# Altium PCB Fumsat Ekteshafi PCB.PcbDoc (part 2 of 2)
Units mm, origin at the board's own origin, x right, y up, seen from the top; angles counter-clockwise.
Board outline 60.2 x 90.04 mm, 2 copper layers (Top Layer, Bottom Layer), stack 1.671 mm thick; 122 components, 180 nets, 669 pads, 158 vias.
Unrouted connection lines stored in the file: 251.
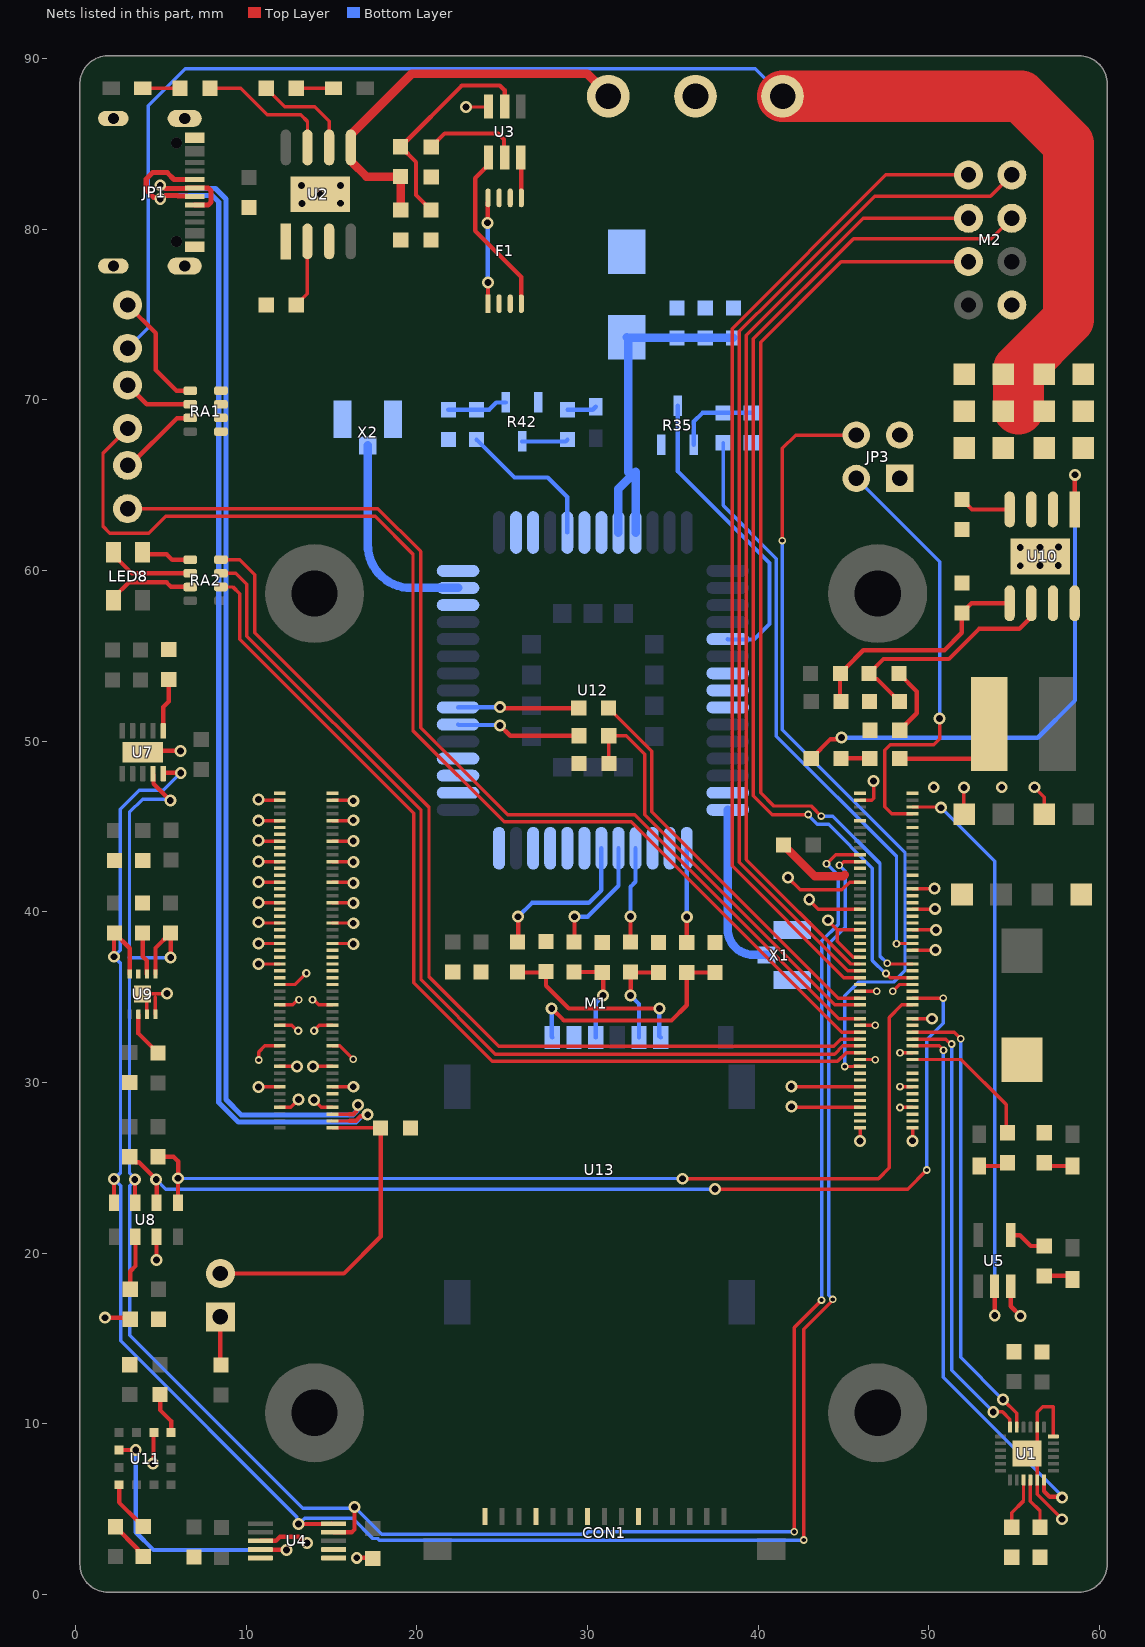
[diagram p2: the nets of this part, all layers, seen from the top]

## Via types
v1: diameter 0.7, hole 0.4, Top Layer to Bottom Layer, tented both sides, 118 vias
v2: diameter 0.45, hole 0.25, Top Layer to Bottom Layer, tented both sides, 37 vias
v3: diameter 0.5, hole 0.25, Top Layer to Bottom Layer, tented both sides, 3 vias

## Nets (pads, with @x,y where several pads share a name; then routed paths per layer and width w, separated by ;. In a path a pad name is that pad's centre, name@x,y a point inside that pad or via, vN(x,y) a via of type N, cw(c..) or ccw(c..) an arc to the next point about the centre after c; other vN are vias at no path point) (continued)
E01_CSN: M1.49 M2.7 | length 56.8
  Top Layer w0.2: v2(43.694,45.611) 43.102,46.203 40.914,46.203 40.14,46.978 40.14,73.383 42.368,75.611 42.368,75.62 44.853,78.105 M2.7@52.324,78.105 ; v2(47.559,36.989) 47.603,36.946 M1.49@49.045,36.946
  Bottom Layer w0.2: v2(43.694,45.611) 44.36,45.611 47.138,42.834 47.138,37.41 v2(47.559,36.989)
E01_IRQ: M1.46 M2.5 | length 59.3
  Top Layer w0.2: M1.46@45.965,36.146 45.019,36.146 38.469,42.696 38.469,74.176 47.478,83.185 M2.5@52.324,83.185
E01_MISO: M1.48 M2.4 | length 60.6
  Top Layer w0.2: M1.48@45.965,36.546 45.261,36.546 38.901,42.906 38.901,74.017 41.088,76.204 46.819,81.935 53.614,81.935 M2.4@54.864,83.185
E01_MOSI: M1.50 M2.6 | length 55.8
  Top Layer w0.2: M1.50@45.965,36.946 45.426,36.946 39.306,43.066 39.306,73.788 46.163,80.645 M2.6@52.324,80.645
E01_SCK: M1.45 M2.3 | length 61.8
  Top Layer w0.2: v2(42.933,45.7) 40.826,45.7 39.719,46.807 39.719,73.577 45.585,79.443 53.662,79.443 M2.3@54.864,80.645 ; v2(47.496,36.391) 47.741,36.146 M1.45@49.045,36.146
  Bottom Layer w0.2: v2(42.933,45.7) 42.933,45.657 43.453,45.136 44.127,45.136 46.696,42.567 46.696,37.15 47.456,36.391 v2(47.496,36.391)
EEPROM_nWP: JP3.4 M1.20 | length 47.4
  Top Layer w0.2: v2(41.419,61.756) 41.419,67.168 42.192,67.941 JP3.4@45.749,67.941 ; v2(45.08,30.94) 45.605,30.94 45.61,30.946 M1.20@45.965,30.946
  Bottom Layer w0.2: v2(41.419,61.756) 41.419,50.679 48.602,43.495 48.602,36.555 47.936,35.889 45.887,35.889 45.08,35.081 v2(45.08,30.94)
ETH_LEDG: M1.17
ETH_LEDY: M1.15
GLOBAL_EN: M1.99
GND: C1.1 C2.1 C3.1 C4.2 C5.2 C6.2 C7.2 C8.1 C10.2 C11.1 C12.1 C14.2 C15.2 C16.2 C17.2 C18.2 C19.2 C21.2 C22.2 C23.2 C24.2 C25.2 C26.2 C27.2 C28.2 C29.2 C30.1 C31.1 C32.2 C33.2 C34.2 C35.2 C36.2 C37.2 C43.2 C44.2 C45.2 C46.2 CON1.1 CON1.4 CON1.7 CON1.10 F1.2 F1.3 F1.6 F1.7 JP1.A1 JP1.A12 JP1.B1 JP1.B12 JP1.S1 JP1.S2 JP1.S3 JP1.S4 JP3.1 JP3.3 M1.1 M1.2 M1.7 M1.8 M1.13 M1.14 M1.22 M1.23 M1.32 M1.33 M1.42 M1.43 M1.52 M1.53 M1.59 M1.60 M1.65 M1.66 M1.71 M1.74 M1.98 M1.107 M1.108 M1.113 M1.114 M1.119 M1.120 M1.125 M1.126 M1.131 M1.132 M1.137 M1.138 M1.144 M1.150 M1.155 M1.156 M1.161 M1.162 M1.167 M1.168 M1.173 M1.174 M1.179 M1.180 M1.185 M1.186 M1.191 M1.192 M1.197 M1.198 M2.1 R1.1 R4.1 R8.2 R9.1 R13.1 R17.1 R22.1 R25.2 R27.1 R32.2 R35.2 R36.1 R40.1 R42.2 R43.1 RA1.5 RA1.6 RA1.7 RA1.8 TP2.1 U1.11 U1.18 U1.20 U1.25 U2.1 U2.3 U2.9 U3.6 U4.3 U5.3 U7.11 U8.3 U9.7 U9.8 U9.9 U10.7 U10.9 U11.5 U12.14 U12.27 U12.31 U12.40 U12.42 U12.44 U12.45 U12.48 U12.49 X1.G X2.G | length 121.8
  Top Layer w0.2: U9.7@4.18,34.007 4.18,34.932 U9.9@3.93,35.182 3.962,35.213 v1(5.348,35.213) ; U9.8@4.68,34.007 4.68,35.006 ; v1@10.658,38.15 10.662,38.146 M1.156@11.965,38.146 ; v1@10.663,39.391 10.709,39.346 M1.162@11.965,39.346 ; v1@10.669,40.557 10.679,40.546 M1.168@11.965,40.546 ; v1@10.685,36.941 10.69,36.946 M1.150@11.965,36.946 ; v1@10.69,41.744 10.692,41.746 M1.174@11.965,41.746 ; v1@10.701,42.958 10.713,42.946 M1.180@11.965,42.946 ; v1@10.712,45.343 10.715,45.346 M1.192@11.965,45.346 ; v1@10.718,44.172 10.744,44.146 M1.186@11.965,44.146 ; v1@10.727,29.746 M1.114@11.965,29.746 ; v2(10.727,31.321) 10.727,31.788 11.085,32.146 M1.126@11.965,32.146 ; v1(10.727,46.576) 10.758,46.546 M1.198@11.965,46.546 ; M1.108@11.965,28.546 12.604,28.546 v1(13.063,29.005) ; M1.120@11.965,30.946 12.97,30.946 v1(12.975,30.941) ; M1.132@11.965,33.346 12.677,33.346 12.985,33.038 v3(13.041,33.038) ; M1.138@11.965,34.546 12.719,34.546 13.019,34.845 v2(13.086,34.845) ; M1.144@11.965,35.746 12.866,35.746 v3(13.527,36.407) ; v1(13.239,82.562) 14.495,82.562 15.005,82.052 v1(15.527,82.574) v1(15.527,81.528) ; v1(13.264,81.513) 13.803,82.052 v1(14.337,82.052) ; v2(13.881,34.845) 13.949,34.845 14.248,34.546 M1.137@15.045,34.546 ; v1(13.913,30.933) 13.925,30.946 M1.119@15.045,30.946 ; v1(13.969,28.981) 13.969,28.972 14.395,28.546 M1.107@15.045,28.546 ; v3(13.976,33.037) 14.285,33.346 M1.131@15.045,33.346 ; M1.113@15.045,29.746 16.286,29.746 v1@16.291,29.752 ; M1.125@15.045,32.146 15.488,32.146 v2(16.274,31.36) ; M1.155@15.045,38.146 16.294,38.146 v1@16.315,38.124 ; M1.161@15.045,39.346 16.301,39.346 v1@16.315,39.332 ; M1.167@15.045,40.546 16.281,40.546 v1@16.315,40.512 ; M1.173@15.045,41.746 16.153,41.746 16.207,41.692 v1(16.274,41.692) ; M1.179@15.045,42.946 16.255,42.946 v1(16.274,42.926) ; M1.185@15.045,44.146 16.273,44.146 v1(16.274,44.147) ; M1.191@15.045,45.346 16.265,45.346 v1@16.288,45.368 ; M1.197@15.045,46.546 16.263,46.546 v1@16.301,46.507 ; v1(22.885,87.164) 24.159,87.164 U3.6@24.196,87.201 ; v1(41.742,42.012) 42.468,41.286 44.895,41.286 45.354,41.746 M1.74@45.965,41.746 ; v1(41.942,29.771) 41.967,29.746 M1.14@45.965,29.746 ; v1(41.959,28.583) 41.996,28.546 M1.8@45.965,28.546 ; v1(42.993,40.723) 42.993,40.667 43.515,40.146 M1.66@45.965,40.146 ; v1(44.084,39.507) 44.084,39.486 44.624,38.946 ; M1.2@45.965,27.346 45.972,27.346 v1(45.972,26.574) ; M1.22@45.965,31.346 46.845,31.346 v2(46.864,31.327) ; M1.32@45.965,33.346 46.857,33.346 v2(46.864,33.353) ; M1.42@45.965,35.346 46.939,35.346 v2(46.947,35.354) ; M1.52@45.965,37.346 45.562,37.346 44.624,38.283 44.624,38.946 ; M1.60@45.965,38.946 44.624,38.946 ; M1.98@45.965,46.546 46.644,46.546 46.761,46.663 v1(46.761,47.673) ; v2(47.892,35.348) 48.289,35.746 M1.43@49.045,35.746 ; v2(48.308,28.538) 48.315,28.546 M1.7@49.045,28.546 ; v2(48.308,29.76) 48.322,29.746 M1.13@49.045,29.746 ; v2(48.308,31.744) v2(48.308,31.744) M1.23@49.045,31.746 ; M1.1@49.045,27.346 49.048,27.346 v1(49.048,26.583) ; M1.33@49.045,33.746 50.179,33.746 v1(50.19,33.735) ; M1.53@49.045,37.746 50.383,37.746 v1(50.396,37.759) ; M1.59@49.045,38.946 50.402,38.946 v1(50.413,38.935) ; M1.65@49.045,40.146 50.33,40.146 v1(50.363,40.178) ; M1.71@49.045,41.346 50.32,41.346 v1(50.341,41.366) ; v1(52.054,47.293) 52.054,45.736 C16.2@52.07,45.72 ; v1(55.354,60.281) 55.434,60.361 55.504,60.291 v1(56.506,60.291) 56.544,60.329 56.572,60.301 v1(57.589,60.301) 57.589,61.31 57.609,61.33 v1(57.609,61.373) 56.707,61.373 56.606,61.273 v1(56.516,61.363) 56.442,61.289 U10.9@55.408,61.289 ; v1(55.354,61.343) 55.874,60.823 U10.9@56.529,60.823 ; v1(56.191,47.303) 56.769,46.725 C18.2@56.769,45.72 ; U1.11@56.349,6.706 56.349,5.868 v1(57.81,4.407) ; U1.11@56.353,6.71 56.353,7.655 U1.25@55.753,8.255 56.353,8.855 U1.20@56.353,9.8 56.353,10.677 56.678,11.002 57.281,11.002 57.289,10.993 57.289,9.264 U1.18@57.298,9.255
  Top Layer w0.254: v1(1.725,16.219) 3.11,16.219 C12.1@3.2,16.129 ; C7.2@2.332,3.968 3.648,2.652 3.648,2.545 C30.1@3.965,2.227 ; U7.11@3.937,49.356 4.016,49.435 v1(6.149,49.435) ; v1(4.545,7.663) 4.564,7.682 4.564,9.458 U11.5@4.583,9.477 ; v1(4.743,19.601) 4.746,19.604 4.746,20.955 U8.3@4.749,20.958 ; U4.3@10.825,3.14 11.735,3.14 11.98,3.386 13.06,3.386 13.439,3.006 v1(13.56,3.006) ; v1(16.476,2.146) 17.386,2.146 C8.1@17.418,2.114 ; U5.3@54.798,18.058 54.798,16.893 v1(55.38,16.311)
  other v1: 10.727,29.736 16.274,29.752 10.727,36.941 16.274,38.124 10.727,38.15 16.274,39.332 10.727,39.391 16.274,40.512 10.727,40.557 10.727,41.744 10.727,42.958 10.727,44.172 10.727,45.343 16.274,45.368 16.274,46.507 50.289,47.303 54.274,47.303
GNSS_ANT: U12.15 X1.S | length 10.1
  Bottom Layer w0.5: U12.15@38.214,45.98 38.214,38.986 ccw(c39.719,38.986) 39.719,37.481 40.476,37.481 X1.S@40.476,37.47
GPIO2: M1.58
GPIO3: M1.56
GPIO4: M1.54
GPIO10: M1.44
GPIO12: M1.31
GPIO23: M1.47
GPIO25: M1.41
GPIO_VREF: M1.78 R10.2 | length 4.4
  Top Layer w0.5: R10.2@41.479,43.923 43.326,42.077 44.978,42.077 45.081,42.179
HDMI0_CEC: M1.151
HDMI0_CK_N: M1.190
HDMI0_CK_P: M1.188
HDMI0_D0_N: M1.184
HDMI0_D0_P: M1.182
HDMI0_D1_N: M1.178
HDMI0_D1_P: M1.176
HDMI0_D2_N: M1.172
HDMI0_D2_P: M1.170
HDMI0_HOTPLUG: M1.153
HDMI0_SCL: M1.200
HDMI0_SDA: M1.199
HDMI1_CEC: M1.149
HDMI1_CK_N: M1.166
HDMI1_CK_P: M1.164
HDMI1_D0_N: M1.160
HDMI1_D0_P: M1.158
HDMI1_D1_N: M1.154
HDMI1_D1_P: M1.152
HDMI1_D2_N: M1.148
HDMI1_D2_P: M1.146
HDMI1_HOTPLUG: M1.143
HDMI1_SCL: M1.145
HDMI1_SDA: M1.147
IMU_INT: M1.25 U1.12 | length 32.9
  Top Layer w0.2: M1.25@49.045,32.146 50.62,32.146 50.862,31.903 v2(50.862,31.888)
  Top Layer w0.254: U1.12@56.753,6.71 56.753,6.049 57.085,5.717 57.768,5.717 v1(57.816,5.669)
  Bottom Layer w0.2: v2(50.862,31.888) 50.841,31.866 50.841,12.72 57.816,5.745 v1(57.816,5.669)
IMU_SCL: M1.29 U1.23 | length 27.1
  Top Layer w0.2: M1.29@49.045,32.946 51.485,32.946 v2(51.871,32.559) ; v1(54.341,11.417) 54.346,11.417 55.153,10.61 U1.23@55.153,9.8
  Bottom Layer w0.2: v2(51.871,32.559) 51.871,13.887 v1(54.341,11.417)
IMU_SDA: M1.27 U1.24 | length 26.6
  Top Layer w0.2: M1.27@49.045,32.546 50.981,32.546 51.268,32.259 v2(51.335,32.259) ; v1(53.776,10.699) 54.318,10.699 54.753,10.264 U1.24@54.753,9.8
  Bottom Layer w0.2: v2(51.335,32.259) 51.337,32.257 51.337,13.138 v1(53.776,10.699)
IN0: U4.4 U11.8 | length 16.7
  Top Layer w0.254: U11.8@2.505,8.469 v1(3.526,8.469) ; U4.4@10.804,2.627 12.349,2.627 v1(12.369,2.607)
  Bottom Layer w0.254: v1(3.526,8.469) 3.526,3.648 4.567,2.607 v1(12.369,2.607)
IN1: U4.5
IN2: U4.6
IN3: U4.7
LED2: LED4.1 M1.30 | length 69.8
  Top Layer w0.2: LED4.1@3.048,68.326 1.606,66.884 1.606,62.587 1.995,62.198 4.295,62.198 5.28,63.183 17.555,63.183 19.773,60.965 19.773,50.62 25.114,45.279 32.568,45.279 44.901,32.946 M1.30@45.965,32.946
LED3: LED5.1 M1.34 | length 61.3
  Top Layer w0.2: LED5.1@3.048,63.627 17.716,63.627 20.223,61.119 20.223,50.793 25.326,45.69 32.774,45.69 44.718,33.746 M1.34@45.965,33.746
LED4: M1.28 RA2.8 | length 57.2
  Top Layer w0.2: RA2.8@8.52,60.636 9.612,60.636 10.505,59.743 10.505,56.346 20.71,46.141 20.71,36.207 24.786,32.131 44.433,32.131 44.847,32.546 M1.28@45.965,32.546
LED5: M1.26 RA2.7 | length 56.9
  Top Layer w0.2: RA2.7@8.52,59.836 9.392,59.836 10.039,59.189 10.039,56.153 20.244,45.948 20.244,36.014 24.593,31.665 44.475,31.665 44.956,32.146 M1.26@45.965,32.146
LED6: M1.24 RA2.6 | length 56.6
  Top Layer w0.2: RA2.6@8.52,59.036 9.223,59.036 9.612,58.647 9.612,55.976 19.817,45.771 19.817,35.837 24.417,31.238 44.649,31.238 45.157,31.746 M1.24@45.965,31.746
MPL_INT1: M1.39 R24.1 U8.6 | length 61.4
  Top Layer w0.2: v1(37.479,23.753) 48.762,23.753 v2(49.881,24.871) ; M1.39@49.045,34.946 v2(50.848,34.946)
  Top Layer w0.254: R24.1@3.175,25.654 3.493,25.336 3.705,25.336 v1(4.722,24.319) ; U8.6@4.749,22.958 v1@4.749,24.08
  Bottom Layer w0.2: v1(4.722,24.319) 5.288,23.753 v1(37.479,23.753) ; v2(49.881,24.871) 49.881,32.509 50.848,33.476 v2(50.848,34.946)
MPL_INT2: M1.37 R20.1 U8.5 | length 56.2
  Top Layer w0.2: v1(35.568,24.359) 47.052,24.359 47.688,24.995 47.688,33.808 48.426,34.546 M1.37@49.045,34.546
  Top Layer w0.254: R20.1@4.826,25.654 5.739,25.654 6.007,25.386 v1(6.007,24.39) 6.003,24.386 6.003,22.962 U8.5@5.999,22.958
  Bottom Layer w0.2: v1(6.007,24.39) 6.023,24.375 35.552,24.375 v1(35.568,24.359)
NetC3_2: C3.2 R3.1 U3.5 | length 13.2
  Top Layer w0.254: R3.1@18.932,84.87 19.016,84.87 R3.1@19.05,84.836 ; C3.2@20.828,81.128 19.95,82.006 19.95,83.936 R3.1@19.05,84.836 ; U3.5@25.061,87.266 25.141,87.346 25.141,88.144 24.861,88.424 22.638,88.424 R3.1@19.05,84.836
NetC5_1: C5.1 U1.10 | length 3
  Top Layer w0.2: U1.10@55.953,6.71 55.953,5.466 56.515,4.904 C5.1@56.515,3.937
NetC12_2: C12.2 U8.2 | length 3.2
  Top Layer w0.254: C12.2@3.2,17.882 3.2,18.935 3.511,19.246 3.511,20.946 U8.2@3.499,20.958
NetC13_1: C13.1 R26.2 | length 1.7
  Top Layer w0.254: C13.1@44.861,48.994 46.525,48.994 R26.2@46.54,48.978
NetC13_2: C13.2 U10.1 | length 32.1
  Top Layer w0.254: C13.2@43.108,48.994 44.238,50.124 44.79,50.124 v1(44.875,50.209) ; U10.1@58.547,63.583 58.557,63.593 58.557,65.603 v1(58.567,65.613)
  Bottom Layer w0.254: v1(44.875,50.209) 56.385,50.209 58.567,52.391 v1(58.567,65.613)
NetC20_2: C20.2 R30.2 R32.1 U10.5 | length 14.1
  Top Layer w0.254: C20.2@44.796,52.22 44.796,53.965 R30.2@44.822,53.965 45.14,54.282 45.14,54.308 46.164,55.332 50.917,55.332 51.935,56.35 R32.1@51.935,57.515 52.503,58.083 U10.5@54.737,58.083
NetC27_1: C27.1 U10.4 | length 3
  Top Layer w0.254: C27.1@51.946,64.168 52.531,63.583 U10.4@54.737,63.583
NetC28_1: C28.1 R31.1 U10.6 | length 14.1
  Top Layer w0.254: C28.1@48.28,52.329 46.961,53.648 46.813,53.648 R31.1@46.496,53.966 47.346,54.816 51.175,54.816 52.942,56.583 55.304,56.583 56.007,57.286 U10.6@56.007,58.083
NetC29_1: C29.1 R31.2 | length 4.2
  Top Layer w0.254: R31.2@48.249,53.966 49.297,52.917 49.297,51.64 C29.1@48.301,50.644
NetC30_2: C30.2 U11.10 | length 3
  Top Layer w0.254: U11.10@2.551,6.429 2.551,5.394 3.648,4.297 C30.2@3.965,3.98
NetC43_1: C43.1 R52.2 U13.C7 | length 11.4
  Top Layer w0.254: R52.2@25.908,36.449 C43.1@27.533,36.449 ; C43.1@27.566,36.501 27.566,35.672 28.905,34.333 v1(34.212,34.333)
  Bottom Layer w0.254: v1(34.212,34.333) 34.212,32.717 U13.C7@34.29,32.639
NetC44_1: C44.1 R51.2 U13.C3 | length 5.6
  Top Layer w0.254: R51.2@32.512,36.474 R51.2@32.527,36.459 ; v1@32.527,35.147 R51.2@32.527,36.459 ; C44.1@34.163,36.449 32.537,36.449 R51.2@32.527,36.459
  Bottom Layer w0.254: v1(32.527,35.097) 33.02,34.604 U13.C3@33.02,32.639
NetC45_1: C45.1 R49.2 U13.C2 | length 5.7
  Top Layer w0.254: R49.2@29.21,36.474 30.836,36.474 30.913,36.397 v1(30.913,35.097)
  Bottom Layer w0.254: U13.C2@30.48,32.639 30.48,34.664 v1(30.913,35.097)
NetF1_1: F1.1 F1.8 | length 6
  Top Layer w0.254: v1(24.136,80.379) 24.162,80.405 F1.8@24.162,81.572 ; v1(24.163,76.883) 24.167,76.879 24.167,75.644 F1.1@24.171,75.64
  Bottom Layer w0.254: v1(24.136,80.379) 24.149,80.366 24.149,76.897 v1(24.163,76.883)
NetF1_4: F1.4 U3.1 | length 9.8
  Top Layer w0.254: U3.1@24.196,84.201 24.196,83.776 23.412,82.992 23.412,79.914 26.121,77.205 26.121,75.877 F1.4@26.141,75.857
NetF1_5: F1.5 U3.3 | length 2.1
  Top Layer w0.254: U3.3@26.02,83.931 26.112,83.839 26.112,81.849 F1.5@26.121,81.84
NetJP1_A2: 
NetJP1_A10: 
NetJP1_B2: 
NetJP1_B10: 
NetJP2_1: JP2.1 R2.2 | length 2.8
  Top Layer w0.254: JP2.1@8.487,16.267 8.487,13.615 R2.2@8.62,13.482
NetL1_2: L1.2 R5.2 | length 2.2
  Top Layer w0.2: L1.2@3.937,88.265 3.937,88.267 R5.2@6.172,88.267
NetL2_2: L2.2 R6.2 | length 2.4
  Top Layer w0.2: R6.2@12.929,88.265 15.253,88.265 cw(c15.253,88.235) L2.2@15.283,88.235
NetL3_1: L3.1 R26.1 U10.8 | length 6.7
  Top Layer w0.254: R26.1@48.293,48.978 52.589,48.978 53.537,49.926 L3.1@53.537,51.002
NetLED1_2: LED1.2 R7.2 | length 1.7
  Top Layer w0.254: LED1.2@52.959,25.108 54.419,25.108 R7.2@54.61,25.298
NetLED2_2: LED2.2 R15.1 | length 1.7
  Top Layer w0.254: R15.1@56.769,18.669 58.204,18.669 LED2.2@58.42,18.453
NetLED3_2: LED3.2 RA1.1 | length 7
  Top Layer w0.254: LED3.2@3.048,75.565 4.699,73.914 4.699,71.755 5.912,70.542 RA1.1@6.72,70.542
NetLED4_2: LED4.2 RA1.2 | length 4.1
  Top Layer w0.254: LED4.2@3.048,70.866 4.172,69.742 RA1.2@6.72,69.742
NetLED5_2: LED5.2 RA1.3 | length 4.8
  Top Layer w0.254: LED5.2@3.048,66.167 3.175,66.167 5.939,68.931 6.709,68.931 RA1.3@6.72,68.942
NetLED6_2: LED6.2 R27.2 | length 1.7
  Top Layer w0.254: R27.2@56.769,25.298 56.96,25.108 LED6.2@58.42,25.108
NetLED7_2: LED7.2 R39.1 | length 1.7
  Bottom Layer w0.254: R39.1@28.829,69.428 30.302,69.428 LED7.2@30.48,69.606
NetLED8_1: LED8.1 RA2.2 | length 5.1
  Top Layer w0.254: LED8.1@2.223,61.065 2.223,60.915 3.302,59.836 RA2.2@6.72,59.836
NetLED8_2: LED8.2 RA2.1 | length 3
  Top Layer w0.254: LED8.2@3.923,61.065 4.028,60.96 5.334,60.96 5.658,60.636 RA2.1@6.72,60.636
NetLED8_4: LED8.4 RA2.3 | length 5.1
  Top Layer w0.254: LED8.4@2.223,58.265 2.223,58.415 3.118,59.309 5.334,59.309 5.588,59.055 6.701,59.055 RA2.3@6.72,59.036
NETLIGHT: R41.1 U12.47 | length 8.8
  Bottom Layer w0.254: R41.1@23.495,67.675 25.72,65.45 27.674,65.45 28.814,64.31 U12.47@28.814,62.23
NetM1_21: M1.21 R7.1 | length 8.3
  Top Layer w0.2: M1.21@49.045,31.346 51.91,31.346 54.545,28.711 54.545,27.116 R7.1@54.61,27.051
NetR4_2: R4.2 U2.2 | length 3.6
  Top Layer w0.2: R4.2@12.929,75.565 13.586,76.222 U2.2@13.586,78.921
NetR5_1: R5.1 U2.7 | length 8
  Top Layer w0.2: R5.1@7.874,88.265 9.673,88.265 11.223,86.715 13.191,86.715 13.589,86.317 U2.7@13.589,84.792
NetR6_1: R6.1 U2.6 | length 6
  Top Layer w0.2: R6.1@11.176,88.265 12.261,87.18 14.004,87.18 14.859,86.325 U2.6@14.859,84.792
NetR8_1: R8.1 U3.2 | length 5.6
  Top Layer w0.254: R8.1@20.839,84.82 21.627,85.608 24.762,85.608 25.101,85.269 U3.2@25.101,84.351
NetR9_2: R9.2 U1.9 | length 3.1
  Top Layer w0.2: R9.2@54.864,3.937 54.864,4.791 55.549,5.476 U1.9@55.549,6.71
NetR15_2: R15.2 U5.4 | length 2.2
  Top Layer w0.254: U5.4@54.798,21.058 55.333,21.058 55.969,20.422 R15.2@56.769,20.422
NetR17_2: R17.2 U9.2 | length 2.5
  Top Layer w0.254: R17.2@3.931,38.76 3.931,37.385 4.179,37.137 4.179,36.358 U9.2@4.18,36.357
NetR22_2: R22.2 U7.1 | length 3.1
  Top Layer w0.254: U7.1@5.137,50.606 5.137,52 5.461,52.324 R22.2@5.461,53.619
NetR33_2: R33.2 U11.4 | length 2.5
  Top Layer w0.254: R33.2@4.953,11.709 4.953,10.806 5.599,10.16 U11.4@5.599,9.477
NetR34_2: R34.2 R35.1 R36.2 | length 4.9
  Bottom Layer w0.254: R35.1@36.231,67.378 36.231,68.734 36.739,69.242 R34.2@37.948,69.242 R36.2@39.599,69.242
NetR37_1: R37.1 U12.34 | length 7.1
  Top Layer w0.254: v1(24.869,51.994) 24.922,51.941 R37.1@29.485,51.941
  Bottom Layer w0.254: U12.34@22.414,51.98 22.421,51.987 24.862,51.987 v1(24.869,51.994)
NetR38_1: R38.1 U12.33 | length 7.4
  Top Layer w0.254: v1(24.869,50.914) 25.467,50.316 R38.1@29.493,50.316
  Bottom Layer w0.254: U12.33@22.414,50.98 22.447,50.947 24.836,50.947 v1(24.869,50.914)
NetR39_2: R39.2 R42.3 | length 2.7
  Bottom Layer w0.254: R42.3@26.162,67.564 28.718,67.564 R39.2@28.829,67.675
NetR41_2: R41.2 R42.1 R43.2 | length 3.5
  Bottom Layer w0.254: R43.2@21.844,69.428 R41.2@23.495,69.428 24.233,69.428 24.655,69.85 R42.1@25.212,69.85
NetU12_17: U12.17
nEXTRST: M1.100
nPWR_LED: M1.95 U5.2 | length 34.5
  Top Layer w0.2: M1.95@49.045,46.146 50.677,46.146 v1(50.719,46.104)
  Top Layer w0.254: U5.2@53.848,18.058 53.856,18.051 53.856,16.362 v1(53.863,16.354)
  Bottom Layer w0.2: v1(50.719,46.104) 53.863,42.96 v1(53.863,16.354)
nRPIBOOT: JP3.2 M1.93 | length 25.9
  Top Layer w0.2: M1.93@49.045,45.746 47.825,45.746 47.407,46.163 47.407,49.468 47.741,49.801 50.3,49.801 50.632,50.133 v1(50.632,51.334)
  Bottom Layer w0.2: JP3.2@45.749,65.401 50.632,60.517 v1(50.632,51.334)
PWRKEY: R35.3 U12.5 | length 17.9
  Bottom Layer w0.254: R35.3@35.281,69.664 35.281,65.827 40.666,60.441 40.666,56.869 39.755,55.957 38.237,55.957 U12.5@38.214,55.98
RF_ANT: U12.41 X2.S | length 12.6
  Bottom Layer w0.5: X2.S@17.122,67.33 17.122,61.52 ccw(c19.662,61.52) 19.662,58.98 U12.41@22.414,58.98
RUN_PG: M1.92
RXD_DBG: U12.30
RXD_GNSS: U12.23 U12.25
RXD_MAIN: M1.40 R37.2 | length 23.8
  Top Layer w0.2: R37.2@31.238,51.941 33.769,49.409 33.769,45.873 44.697,34.946 M1.40@45.965,34.946
SCL: M1.80 R29.2 U4.10 U7.10 U8.8 U9.4 | length 132.4
  Top Layer w0.2: v2(42.677,3.186) 42.677,15.541 44.365,17.228 v2(44.365,17.29) ; v2(44.761,42.73) 44.787,42.73 45.003,42.946 M1.80@45.965,42.946
  Top Layer w0.254: R29.2@2.103,38.781 2.256,38.628 v1(2.256,37.369) ; U8.8@2.249,22.958 v1(2.248,24.338) ; R29.2@2.286,38.76 3.18,37.866 U9.4@3.18,36.357 ; U7.10@5.123,48.037 5.123,48.099 5.17,48.146 v1(6.164,48.146) ; v1(13.06,4.123) 13.069,4.132 15.005,4.132 U4.10@15.013,4.14
  Bottom Layer w0.2: v1@2.256,37.364 2.631,36.99 2.631,24.721 v1(2.248,24.338) 2.642,23.944 2.642,14.861 12.975,4.528 12.975,4.208 v1(13.06,4.123) 13.097,4.123 13.432,4.458 16.242,4.458 17.421,3.279 17.696,3.279 17.787,3.188 42.675,3.188 v2(42.677,3.186) ; v1(2.256,37.369) 2.256,37.378 2.619,37.741 2.619,46.018 3.719,47.118 5.136,47.118 v1(6.164,48.146) ; v2(44.365,17.29) 44.365,17.309 44.141,17.532 44.141,38.138 45.112,39.11 45.112,42.378 v2(44.761,42.73)
SD_CLK: M1.57 U12.8
SD_CMD: M1.62 U12.7
SD_DATA: U12.9
SD_DATA0: M1.63
SD_DATA1: M1.67
SD_DATA2: M1.69
SD_DATA3: M1.61
SD_PWR_ON: M1.75
SDA: M1.82 R28.2 U4.9 U7.9 U8.7 U9.1 | length 132.6
  Top Layer w0.2: v2(42.107,3.675) 42.107,15.642 v2(43.713,17.248) ; v2(44.007,42.816) 44.012,42.816 44.541,43.346 M1.82@45.965,43.346
  Top Layer w0.254: v1(3.472,24.313) 3.485,24.3 3.485,22.972 U8.7@3.499,22.958 ; U7.9@4.544,48.057 4.561,48.04 4.561,47.508 v1(5.551,46.518) ; U9.1@4.68,36.357 4.68,37.883 R28.2@5.548,38.75 ; R28.2@5.566,38.732 5.573,38.725 v1(5.573,37.316) ; U4.9@15.125,3.64 15.138,3.653 16.191,3.653 16.34,3.802 v1(16.34,5.13)
  Bottom Layer w0.2: 3.166,37.316 v1(5.573,37.316) ; v1@3.472,24.238 3.176,23.941 3.176,15.19 13.319,5.047 16.257,5.047 v1(16.34,5.13) 17.932,3.538 29.917,3.538 30.054,3.675 v2(42.107,3.675) ; v1@3.472,24.391 3.157,24.705 3.157,37.325 3.157,45.836 3.924,46.603 5.466,46.603 v1(5.551,46.518) ; v2(43.713,17.248) 43.723,17.258 43.723,38.298 44.684,39.259 44.684,42.135 44.007,42.812 v2(44.007,42.816)
  Bottom Layer w0.254: 3.157,37.325 3.166,37.316
SHT35_ALT: U9.3
SHT35_RESET: R21.2 U9.6 | length 2.8
  Top Layer w0.254: U9.6@3.68,34.007 3.68,32.871 R21.2@4.826,31.725
SIM1_CLK: R51.1 U12.19 | length 5.6
  Top Layer w0.254: R51.1@32.512,38.227 32.518,38.233 v1(32.518,39.734)
  Bottom Layer w0.254: v1(32.518,39.734) 32.518,41.465 32.814,41.761 U12.19@32.814,43.73
SIM1_DATA: R52.1 U12.21 | length 9.5
  Top Layer w0.254: R52.1@25.902,38.23 25.934,38.262 v1(25.934,39.716)
  Bottom Layer w0.254: v1(25.934,39.716) 26.745,40.527 30.069,40.527 30.814,41.272 U12.21@30.814,43.73
SIM1_RST: R49.1 U12.20 | length 7
  Top Layer w0.254: R49.1@29.21,38.227 29.235,38.252 v1(29.235,39.716)
  Bottom Layer w0.254: v1(29.235,39.716) 30.005,39.716 31.814,41.525 U12.20@31.814,43.73
SIM1_VDD: C42.1 C46.1 U12.18 U13.C1 | length 13.9
  Top Layer w0.254: v1(27.901,34.345) 28.614,33.632 34.925,33.632 35.814,34.521 C42.1@35.814,36.449 C46.1@37.465,36.449
  Bottom Layer w0.254: v1(27.901,34.345) 27.901,32.678 U13.C1@27.94,32.639
SIM_GND: C42.2 U12.16 U13.C5 | length 5.5
  Top Layer w0.254: C42.2@35.814,38.202 35.819,38.207 v1(35.819,39.706)
  Bottom Layer w0.254: U12.16@35.814,43.73 35.816,43.728 35.816,39.709 v1(35.819,39.706)
SYNC_IN: M1.16
SYNC_OUT: M1.18
TRD0_N: M1.10
TRD0_P: M1.12
TRD1_N: M1.6
TRD1_P: M1.4
TRD2_N: M1.9
TRD2_P: M1.11
TRD3_N: M1.5
TRD3_P: M1.3
TURN_ON_PULSE: M1.55 R34.1 | length 34.5
  Top Layer w0.2: v2(48.105,38.138) 48.113,38.146 M1.55@49.045,38.146
  Bottom Layer w0.2: R34.1@37.948,67.489 37.948,63.813 41.057,60.704 41.057,50.302 48.105,43.254 v2(48.105,38.138)
TV_OUT: M1.111
TXD_DBG: U12.29
TXD_GNSS: U12.22 U12.24
TXD_MAIN: M1.38 R38.2 R40.2 | length 25
  Top Layer w0.2: R40.2@31.261,48.69 31.246,48.705 R38.2@31.246,50.316 32.276,50.316 33.348,49.244 33.348,45.696 44.498,34.546 M1.38@45.965,34.546
USB2_N: JP1.A7 JP1.B7 M1.103 | length 74.6
  Top Layer w0.2: M1.103@15.045,27.746 16.048,27.746
  Top Layer w0.254: 16.048,27.746 16.061,27.759 16.43,27.759 16.7,28.029 17.034,28.029 v1(17.119,28.115)
  Top Layer w0.3: JP1.A7@6.985,81.919 6.565,81.919 6.525,81.959 5.991,81.959 5.981,81.969 5.259,81.969 5.069,81.779 v1(4.961,81.779) 4.884,81.856 4.581,81.856 4.14,82.296 4.14,82.945 4.514,83.318 5.372,83.318 5.772,82.919 JP1.B7@6.985,82.919
  Bottom Layer w0.3: 5.259,81.969 8.022,81.969 8.387,81.604 8.387,28.832 9.536,27.683 16.419,27.683 16.774,28.038 17.043,28.038 v1(17.119,28.115)
USB2_P: JP1.A6 JP1.B6 M1.105 | length 72.2
  Top Layer w0.2: M1.105@15.045,28.146 16.048,28.146
  Top Layer w0.254: 16.048,28.146 16.061,28.133 16.275,28.133 16.466,28.324 16.466,28.593 v1(16.552,28.679)
  Top Layer w0.3: v1(4.961,82.579) 5.069,82.579 5.259,82.389 6.155,82.389 6.165,82.379 6.525,82.379 6.565,82.419 JP1.A6@6.985,82.419 7.77,82.419 7.945,82.243 7.945,81.595 7.77,81.419 JP1.B6@6.985,81.419
  Bottom Layer w0.3: v1(4.961,82.579) 5.069,82.579 5.259,82.389 8.196,82.389 8.807,81.778 8.807,29.006 9.71,28.103 16.245,28.103 16.475,28.334 16.475,28.602 v1(16.552,28.679)
USBOTG_ID: JP2.2 M1.101 R1.2 | length 19.6
  Top Layer w0.2: M1.101@15.045,27.346 R1.2@17.867,27.346
  Top Layer w0.254: JP2.2@8.487,18.807 15.723,18.807 17.887,20.971 R1.2@17.887,27.47
VBAT: C21.1 C22.1 C23.1 C24.1 C25.1 C26.1 LED3.1 TP1.1 U10.2 U10.3 | length 88.1
  Top Layer w3: TP1.1@41.429,87.797 55.397,87.797 58.177,85.017 58.177,74.712 55.263,71.798 55.263,69.475
  Bottom Layer w0.2: LED3.1@3.048,73.025 4.246,74.223 4.246,87.233 6.422,89.408 39.818,89.408 TP1.1@41.429,87.797
VBAT1C: C1.2 C32.1 C33.1 C34.1 C35.1 R3.2 TP3.1 U2.5 U12.50 U12.51 | length 44.9
  Top Layer w0.5: C1.2@19.05,81.128 R3.2@19.05,82.889 ; R3.2@19.05,83.083 17.044,83.083 16.179,83.948 16.179,83.965 16.129,84.015 U2.5@16.129,84.792 16.129,85.542 19.699,89.112 29.984,89.112 TP3.1@30.874,88.222
  Bottom Layer w0.5: U12.50@31.814,62.23 31.814,64.793 32.814,65.793 U12.51@32.814,62.23 ; C32.1@32.307,73.676 C32.1@32.347,73.636 ; 32.378,65.769 32.378,73.605 C32.1@32.347,73.636 ; C35.1@38.553,73.636 C34.1@36.902,73.636 C33.1@35.251,73.636 C32.1@32.347,73.636
WL_nDis: M1.89
pads on no net: CON1.Z1 CON1.Z2 JP1. JP1.A5 JP1.A8 JP1.B5 JP1.B8 M1.19 M1.64 M1.68 M1.70 M1.72 M1.73 M1.76 M1.102 M1.104 M1.106 M1.109 M1.110 M1.112 M1.115 M1.116 M1.117 M1.118 M1.121 M1.122 M1.123 M1.124 M1.127 M1.129 M1.133 M1.135 M1.139 M1.141 M1.157 M1.159 M1.163 M1.165 M1.169 M1.171 M1.175 M1.177 M1.181 M1.183 M1.187 M1.189 M1.193 M1.194 M1.195 M1.196 M1.S1 M1.S2 M1.S3 M1.S4 RA1.4 RA2.4 RA2.5 U1.2 U1.3 U1.4 U1.5 U1.6 U1.7 U1.14 U1.15 U1.16 U1.17 U1.19 U1.21 U3.4 U5.1 U11.1 U11.2 U11.3 U11.6 U11.9 U11.11 U11.12 U12.1 U12.2 U12.3 U12.4 U12.6 U12.10 U12.11 U12.12 U12.13 U12.28 U12.32 U12.35 U12.36 U12.37 U12.38 U12.39 U12.43 U12.46 U12.52 U12.53 U12.54 U12.55 U12.56 U12.57 U12.58 U12.59 U12.60 U12.61 U12.62 U12.63 U12.64 U12.65 U12.66 U12.67 U12.68 U13.1 U13.2 U13.3 U13.4 U13.C6 U13.CD

## Polygon pours and split planes (outlines as drawn)
GND on Top Layer "GND_L01_P000" (solid, remove dead copper, pour order 0): 0.254,1.778 0.254,88.646 0.263,88.694 cw(c1.905,88.519) 1.73,90.161 1.778,90.17 58.801,90.17 cw(c58.801,88.519) 60.452,88.519 60.452,1.778 cw(c58.801,1.778) 58.801,0.127 1.905,0.127 cw(c1.905,1.778)
GND on Bottom Layer "GND_L02_P001" (solid, remove dead copper, pour order 1): 0.254,1.778 0.254,88.646 0.263,88.694 cw(c1.905,88.519) 1.73,90.161 1.778,90.17 58.801,90.17 cw(c58.801,88.519) 60.452,88.519 60.452,1.778 cw(c58.801,1.778) 58.801,0.127 1.905,0.127 cw(c1.905,1.778)

## Keep-outs
Keep-Out Layer:
  lines w0.254: 0.381,88.519 cw(c1.905,88.519) 1.905,90.043 ; 0.381,88.646 0.381,1.778 ccw(c1.905,1.778) 1.905,0.254 58.801,0.254 ccw(c58.801,1.778) 60.325,1.778 60.325,88.519 ; 1.778,90.043 58.801,90.043 cw(c58.801,88.519) 60.325,88.519 ; 60.325,84.455 60.325,88.519

## Other copper
Top Layer:
  rectangle net 5VUSB: 6.416,84.268 12.399,84.869
  rectangle net 5V: 56.017,40.39 57.285,42.872
  rectangle net 5V: 53.595,40.39 54.863,42.872
  rectangle net 5V: 53.721,44.237 54.993,45.761
  region net 5VUSB: 6.414,80.068 7.877,80.068 ccw(c7.877,80.552) 8.361,80.552 8.361,84.409 8.99,84.409 8.99,80.178 cw(c8.292,80.178) 8.292,79.479 6.414,79.479
  region net 5V: 54.859,40.472 54.859,40.439 ccw(c56.88,40.439) 55.451,39.01 55.451,38.431 54.26,38.431 cw(c55.81,39.981) 53.608,39.981 53.608,40.479
  region net 5V: 56.018,40.479 56.018,40.386 cw(c54.082,40.386) 55.451,39.017 55.451,38.438 56.637,38.438 ccw(c55.086,40.001) 57.288,40.001 57.288,40.472
  region net GPIO_VREF: 45.664,42.645 45.663,42.646 45.222,42.646 44.923,42.347 45.224,42.045 45.322,42.112 45.555,42.427 45.663,42.452
  region net 3.3V: 43.511,44.146 45.166,44.146 45.658,43.654 43.365,43.654
  region net NetL3_1: 52.464,53.632 52.464,54.485 54.141,56.162 57.517,56.162 58.251,56.896 58.251,59.197 58.279,59.225 59.783,59.225 59.783,55.668 58.426,54.311 55.172,54.311 54.612,53.751 54.612,53.632
  region net 5V: 56.469,50.011 56.469,48.11 58.015,46.559 58.015,45.001 57.648,44.634 48.714,44.634 48.706,44.642 48.702,44.638 48.702,42.454 58.939,42.454 59.902,43.417 59.902,47.743 58.609,49.036 58.609,50.003
  region net VBAT: 53.719,72.132 53.719,66.532 55.708,64.543 55.708,62.529 57.572,62.529 57.574,62.527 57.574,66.373 57.402,66.545 57.41,66.553 57.402,72.132
Bottom Layer:
  region net VBAT1C: 31.47,60.975 31.476,60.981 33.171,60.981 33.171,72.758 33.159,72.77 33.153,72.764 31.449,72.764